# Allegro board 8880F5-0827_6.brd (continued)
## Placement (name value [footprint] x y rotation side) (continued)
NOREF#168  -  []  518.38 273.87 90 top
NOREF#169  -  []  334.29 265.56 0 top
NOREF#170  -  []  451.68 230.2 0 top
NOREF#171  -  []  328.01 286.96 0 top
NOREF#172  -  []  258.1 288.86 0 top
NOREF#173  -  []  200.98 258.7 90 top
NOREF#174  -  []  303.84 288.86 0 top
NOREF#175  -  []  239.33 236.03 0 top
NOREF#176  -  []  167.7 174.46 90 top
NOREF#177  -  []  283.21 270.2 90 top
NOREF#178  -  []  237.57 209.63 90 top
NOREF#179  -  []  192.47 209.49 90 top
NOREF#180  -  []  419.73 131.89 90 top
NOREF#181  -  []  413.71 178.82 0 top
NOREF#182  -  []  210.86 201.29 90 top
NOREF#183  -  []  528.1 273.87 90 top
NOREF#184  -  []  317.98 163.82 90 top
NOREF#185  -  []  229.51 189.2 0 top
NOREF#186  -  []  518.38 290.38 90 top
NOREF#187  -  []  331.06 223.82 90 top
NOREF#188  -  []  248.21 132.69 90 top
NOREF#189  -  []  310.43 186.34 90 top
NOREF#190  -  []  192.47 150.58 90 top
NOREF#191  -  []  266.49 143.19 0 top
NOREF#192  -  []  305.83 264.31 0 top
NOREF#193  -  []  269.69 135.19 0 top
NOREF#194  -  []  310.41 193.37 90 top
NOREF#195  -  []  344.37 128.27 0 top
NOREF#196  -  []  226.85 271.67 0 top
NOREF#197  -  []  247.25 205.56 0 top
NOREF#198  -  []  177.33 242.18 90 top
NOREF#199  -  []  396.55 289.12 0 top
NOREF#200  -  []  175.7 168.6 90 top
NOREF#201  -  []  390.69 257.11 0 top
NOREF#202  -  []  112.67 171.02 0 top
NOREF#203  -  []  175.7 236.67 90 top
NOREF#204  -  []  343.2 172.26 90 top
NOREF#205  -  []  172.08 272.6 90 top
NOREF#206  -  []  229.51 186.66 0 top
NOREF#207  -  []  290.11 280.1 0 top
NOREF#208  -  []  378.58 273.11 90 top
NOREF#209  -  []  101.82 290.38 90 top
NOREF#210  -  []  392.04 273.11 90 top
NOREF#211  -  []  391.8 217.36 0 top
NOREF#212  -  []  279.27 288.86 0 top
NOREF#213  -  []  425.2 161.74 90 top
NOREF#214  -  []  352.24 189.18 90 top
NOREF#215  -  []  418.12 241.11 0 top
NOREF#216  -  []  246.23 233.13 0 top
NOREF#217  -  []  383.09 241.11 0 top
NOREF#218  -  []  388.43 163.64 0 top
NOREF#219  -  []  400.85 233.11 0 top
NOREF#220  -  []  201.23 201.89 90 top
NOREF#221  -  []  330.18 242.88 0 top
NOREF#222  -  []  381.74 297.12 0 top
NOREF#223  -  []  230.83 164.63 0 top
NOREF#224  -  []  485.36 257.36 90 top
NOREF#225  -  []  470.71 227 90 top
NOREF#226  -  []  310.83 164.63 0 top
NOREF#227  -  []  118.33 271.33 90 top
NOREF#228  -  []  310.43 246.34 0 top
NOREF#229  -  []  209.23 216.45 90 top
NOREF#230  -  []  272.25 241.05 90 top
NOREF#231  -  []  168.13 240.88 90 top
NOREF#232  -  []  192.47 222.95 90 top
NOREF#233  -  []  230.73 243.41 0 top
NOREF#234  -  []  351.34 245.18 0 top
NOREF#235  -  []  124.35 222.33 0 top
NOREF#236  -  []  251.94 205.86 90 top
NOREF#237  -  []  252.51 204.35 90 top
NOREF#238  -  []  220.36 188.49 0 top
NOREF#239  -  []  175.7 230.17 90 top
NOREF#240  -  []  217.41 213.24 90 top
NOREF#241  -  []  228.36 262.16 45 top
NOREF#242  -  []  299.81 273.69 90 top
NOREF#243  -  []  392.24 196.98 90 top
NOREF#244  -  []  247.25 205.55 0 top
NOREF#245  -  []  250.17 163.82 90 top
NOREF#246  -  []  406.94 131.34 90 top
NOREF#247  -  []  272.55 182.64 0 top
NOREF#248  -  []  315.16 290.13 90 top
NOREF#249  -  []  184.47 178.86 90 top
NOREF#250  -  []  310.43 194.01 0 top
NOREF#251  -  []  165.8 212.85 90 top
NOREF#252  -  []  383.09 241.11 0 top
NOREF#253  -  []  378.75 240.66 90 top
NOREF#254  -  []  343.31 224.72 0 top
NOREF#255  -  []  106.11 234.24 0 top
NOREF#256  -  []  247.89 204.35 90 top
NOREF#257  -  []  245.15 288.66 90 top
NOREF#258  -  []  256.77 165.04 90 top
NOREF#259  -  []  378.75 256.66 90 top
NOREF#260  -  []  373.83 192.28 90 top
NOREF#261  -  []  177.33 146.68 90 top
NOREF#262  -  []  395.67 133.16 90 top
NOREF#263  -  []  410.52 273.37 0 top
NOREF#264  -  []  209.23 218.65 90 top
NOREF#265  -  []  201.49 147.53 90 top
NOREF#266  -  []  351.34 182.64 0 top
NOREF#267  -  []  256.77 163.82 90 top
NOREF#268  -  []  265.81 296.86 0 top
NOREF#269  -  []  184.47 260.9 90 top
NOREF#270  -  []  415.1 163.64 0 top
NOREF#271  -  []  250.73 265.55 0 top
NOREF#272  -  []  342.36 223.82 90 top
NOREF#273  -  []  262.04 224.74 0 top
NOREF#274  -  []  230.41 246.34 90 top
NOREF#275  -  []  392.47 272.66 90 top
NOREF#276  -  []  253.4 265.55 0 top
NOREF#277  -  []  352.24 183.59 90 top
NOREF#278  -  []  346.27 129.42 90 top
NOREF#279  -  []  401.87 139.89 0 top
NOREF#280  -  []  397.8 146.33 90 top
NOREF#281  -  []  346.69 128.87 90 top
NOREF#282  -  []  392.21 131.94 90 top
NOREF#283  -  []  199.08 254 0 top
NOREF#284  -  []  242.23 233.13 90 top
NOREF#285  -  []  263.95 163.52 90 top
NOREF#286  -  []  308.91 139.64 0 top
NOREF#287  -  []  396.55 241.11 0 top
NOREF#288  -  []  271.04 245.5 0 top
NOREF#289  -  []  371.48 224.6 0 top
NOREF#290  -  []  398.53 178.25 90 top
NOREF#291  -  []  328.96 164.74 0 top
NOREF#292  -  []  201.49 146.18 0 top
NOREF#293  -  []  272.25 181.05 90 top
NOREF#294  -  []  332.51 205.56 0 top
NOREF#295  -  []  116.01 222.33 0 top
NOREF#296  -  []  272.24 184.86 90 top
NOREF#297  -  []  296.96 192.14 0 top
NOREF#298  -  []  248.96 164.74 0 top
NOREF#299  -  []  318.32 131.64 0 top
NOREF#300  -  []  368.03 265.11 0 top
NOREF#301  -  []  331.86 252.43 90 top
NOREF#302  -  []  411.26 179.7 90 top
NOREF#303  -  []  375.22 163.39 0 top
NOREF#304  -  []  295.96 248.49 0 top
NOREF#305  -  []  288.74 290.13 90 top
NOREF#306  -  []  461.96 217.98 0 top
NOREF#307  -  []  107.18 246.83 90 top
NOREF#308  -  []  272.24 181.05 90 top
NOREF#309  -  []  209.49 175.56 90 top
NOREF#310  -  []  473.7 176.22 90 top
NOREF#311  -  []  404.24 146.88 0 top
NOREF#312  -  []  127.84 167.9 90 top
NOREF#313  -  []  226.83 269.63 90 top
NOREF#314  -  []  309.21 243.09 0 top
NOREF#315  -  []  406.65 271.21 90 top
NOREF#316  -  []  409.74 180.2 90 top
NOREF#317  -  []  385.19 289.12 0 top
NOREF#318  -  []  230.43 247.61 90 top
NOREF#319  -  []  465.31 230.2 0 top
NOREF#320  -  []  281.47 296.86 0 top
NOREF#321  -  []  229.21 193.37 0 top
NOREF#322  -  []  415.61 179.97 90 top
NOREF#323  -  []  392.47 272.56 90 top
NOREF#324  -  []  201.49 178.86 90 top
NOREF#325  -  []  271.04 181.69 0 top
NOREF#326  -  []  451.64 179.06 0 top
NOREF#327  -  []  419.9 154.88 0 top
NOREF#328  -  []  66.26 290.38 90 top
NOREF#329  -  []  331.62 204.35 90 top
NOREF#330  -  []  224.65 211.67 0 top
NOREF#331  -  []  208.98 259.8 90 top
NOREF#332  -  []  405.5 257.37 90 top
NOREF#333  -  []  167.7 200.54 0 top
NOREF#334  -  []  184.47 231.27 90 top
NOREF#335  -  []  309.51 253.69 0 top
NOREF#336  -  []  339.65 264.65 90 top
NOREF#337  -  []  352.25 184.86 90 top
NOREF#338  -  []  410.84 163.64 90 top
NOREF#339  -  []  75.98 290.38 90 top
NOREF#340  -  []  314.19 145.5 90 top
NOREF#341  -  []  329.28 165.04 90 top
NOREF#342  -  []  330.73 205.56 0 top
NOREF#343  -  []  175.7 250.38 90 top
NOREF#344  -  []  254.29 205.56 0 top
NOREF#345  -  []  388.43 163.64 0 top
NOREF#346  -  []  329.28 163.82 90 top
NOREF#347  -  []  175.8 147.18 90 top
NOREF#348  -  []  277.5 155.38 0 top
NOREF#349  -  []  167.7 241.43 90 top
NOREF#350  -  []  229.51 246.66 0 top
NOREF#351  -  []  175.7 148.38 90 top
NOREF#352  -  []  481.96 273.87 90 top
NOREF#353  -  []  373.68 249.11 0 top
NOREF#354  -  []  394.05 287.22 0 top
NOREF#355  -  []  270.04 280.1 0 top
NOREF#356  -  []  411.09 146.88 90 top
NOREF#357  -  []  263.63 225.04 90 top
NOREF#358  -  []  290.64 288.86 0 top
NOREF#359  -  []  230.43 243.09 0 top
NOREF#360  -  []  22.16 130.26 90 top
NOREF#361  -  []  118.45 231.77 0 top
NOREF#362  -  []  336.45 224.74 0 top
NOREF#363  -  []  308.36 262.16 45 top
NOREF#364  -  []  331.62 205.56 0 top
NOREF#365  -  []  175.7 150.58 90 top
NOREF#366  -  []  222.67 298 90 top
NOREF#367  -  []  230.43 243.09 90 top
NOREF#368  -  []  461.96 174.55 0 top
NOREF#369  -  []  409.49 163.64 0 top
NOREF#370  -  []  175.8 174.36 90 top
NOREF#371  -  []  398.53 161.74 90 top
NOREF#372  -  []  384.17 180.15 90 top
NOREF#373  -  []  177.33 214.75 90 top
NOREF#374  -  []  252.51 264.35 90 top
NOREF#375  -  []  343.95 164.74 90 top
NOREF#376  -  []  327.25 265.56 90 top
NOREF#377  -  []  415.6 146.88 0 top
NOREF#378  -  []  184.47 214 0 top
NOREF#379  -  []  425.23 180.72 90 top
NOREF#380  -  []  118.7 188.08 0 top
NOREF#381  -  []  384.59 179.6 90 top
NOREF#382  -  []  376.98 257.11 0 top
NOREF#383  -  []  192.47 195.52 90 top
NOREF#384  -  []  413.75 171.64 0 top
NOREF#385  -  []  381.2 226.12 90 top
NOREF#386  -  []  268.94 272.1 0 top
NOREF#387  -  []  230.43 186.34 90 top
NOREF#388  -  []  342.63 296.86 0 top
NOREF#389  -  []  182.82 162.12 90 top
NOREF#390  -  []  352.55 241.37 0 top
NOREF#391  -  []  319.33 176.03 0 top
NOREF#392  -  []  251.06 223.82 90 top
NOREF#393  -  []  396.03 163.64 0 top
NOREF#394  -  []  477.24 239.09 0 top
NOREF#395  -  []  229.21 188.88 0 top
NOREF#396  -  []  262.68 224.74 90 top
NOREF#397  -  []  272.24 189.18 90 top
NOREF#398  -  []  253.72 204.65 90 top
NOREF#399  -  []  167.7 186.57 0 top
NOREF#400  -  []  254.61 204.65 90 top
NOREF#401  -  []  371.48 257.11 0 top
NOREF#402  -  []  342.68 164.74 90 top
NOREF#403  -  []  122.15 195.15 0 top
NOREF#404  -  []  339.97 204.35 90 top
NOREF#405  -  []  279.7 155.38 0 top
NOREF#406  -  []  378.33 257.11 90 top
NOREF#407  -  []  338.2 186.67 0 top
NOREF#408  -  []  184.47 242.78 90 top
NOREF#409  -  []  471.59 130.36 90 top
NOREF#410  -  []  35.83 132.61 0 top
NOREF#411  -  []  401.89 163.64 0 top
NOREF#412  -  []  393.74 131.44 90 top
NOREF#413  -  []  299.59 288.86 90 top
NOREF#414  -  []  121.9 231.22 0 top
NOREF#415  -  []  332.83 205.86 90 top
NOREF#416  -  []  352.25 244.23 0 top
NOREF#417  -  []  167.7 178.86 90 top
NOREF#418  -  []  165.8 158.5 0 top
NOREF#419  -  []  286.55 288.31 90 top
NOREF#420  -  []  271.34 249.5 0 top
NOREF#421  -  []  394.66 274.38 90 top
NOREF#422  -  []  302.49 296.86 0 top
NOREF#423  -  []  119.99 214.79 0 top
NOREF#424  -  []  122.19 214.79 0 top
NOREF#425  -  []  410.52 289.12 0 top
NOREF#426  -  []  295.19 271.65 90 top
NOREF#427  -  []  251.62 204.35 90 top
NOREF#428  -  []  396.28 163.69 90 top
NOREF#429  -  []  272.25 181.69 0 top
NOREF#430  -  []  395.2 249.11 0 top
NOREF#431  -  []  369.38 224.6 0 top
NOREF#432  -  []  379 272.56 90 top
NOREF#433  -  []  450.03 225.6 0 top
NOREF#434  -  []  218.16 237.06 0 top
NOREF#435  -  []  401.89 180.15 0 top
NOREF#436  -  []  373.93 281.11 0 top
NOREF#437  -  []  331.94 204.65 90 top
NOREF#438  -  []  235.85 288.61 90 top
NOREF#439  -  []  66.26 273.87 90 top
NOREF#440  -  []  199.33 226.57 90 top
NOREF#441  -  []  342.36 225.04 90 top
NOREF#442  -  []  334.29 205.56 90 top
NOREF#443  -  []  352.25 244.86 90 top
NOREF#444  -  []  201.49 176.66 90 top
NOREF#445  -  []  465.81 222.58 0 top
NOREF#446  -  []  256.45 224.72 0 top
NOREF#447  -  []  330.73 265.56 90 top
NOREF#448  -  []  369.38 257.11 0 top
NOREF#449  -  []  394.66 242.38 90 top
NOREF#450  -  []  317.57 269.63 90 top
NOREF#451  -  []  229.21 183.09 0 top
NOREF#452  -  []  247.25 265.56 90 top
NOREF#453  -  []  398.65 297.12 0 top
NOREF#454  -  []  165.8 144.78 90 top
NOREF#455  -  []  200.98 260.9 90 top
NOREF#456  -  []  417.7 154.88 0 top
NOREF#457  -  []  246.63 130.24 90 top
NOREF#458  -  []  119.99 214.79 0 top
NOREF#459  -  []  341.63 173.83 90 top
NOREF#460  -  []  184.47 192.32 90 top
NOREF#461  -  []  404.15 257.37 0 top
NOREF#462  -  []  459.28 183.57 0 top
NOREF#463  -  []  182.57 212.85 0 top
NOREF#464  -  []  450.03 210.36 0 top
NOREF#465  -  []  215.96 237.06 0 top
NOREF#466  -  []  237.83 197.63 0 top
NOREF#467  -  []  402.14 146.88 0 top
NOREF#468  -  []  167.7 214 90 top
NOREF#469  -  []  342.68 163.52 90 top
NOREF#470  -  []  330.49 164.74 90 top
NOREF#471  -  []  199.33 212.85 0 top
NOREF#472  -  []  418.38 131.89 0 top
NOREF#473  -  []  393.74 131.34 90 top
NOREF#474  -  []  330.73 265.56 0 top
NOREF#475  -  []  414.57 265.37 0 top
NOREF#476  -  []  283.25 147.43 90 top
NOREF#477  -  []  331.94 205.86 90 top
NOREF#478  -  []  352.25 189.82 0 top
NOREF#479  -  []  257.09 224.74 90 top
NOREF#480  -  []  259.65 204.65 90 top
NOREF#481  -  []  257.9 186.99 0 top
NOREF#482  -  []  182.57 254 90 top
NOREF#483  -  []  467.51 186.77 0 top
NOREF#484  -  []  175.7 162.1 90 top
NOREF#485  -  []  115.36 235.64 90 top
NOREF#486  -  []  408.92 265.37 0 top
NOREF#487  -  []  405.93 224.66 90 top
NOREF#488  -  []  296.96 240.71 0 top
NOREF#489  -  []  101.82 287.84 90 top
NOREF#490  -  []  75.98 271.33 90 top
NOREF#491  -  []  315.7 296.86 0 top
NOREF#492  -  []  375.73 199.18 90 top
NOREF#493  -  []  384.59 179.7 90 top
NOREF#494  -  []  352.24 182.32 90 top
NOREF#495  -  []  398.65 289.12 0 top
NOREF#496  -  []  332.61 296.86 0 top
NOREF#497  -  []  415.61 185.72 90 top
NOREF#498  -  []  310.43 253.37 90 top
NOREF#499  -  []  339.97 264.35 90 top
NOREF#500  -  []  237.66 164.74 0 top
NOREF#501  -  []  230.41 187.61 90 top
NOREF#502  -  []  293.31 272.1 0 top
NOREF#503  -  []  368.28 297.12 0 top
NOREF#504  -  []  252.6 288.86 0 top
NOREF#505  -  []  209.49 162.1 90 top
NOREF#506  -  []  382.47 133.16 90 top
NOREF#507  -  []  271.34 242.64 0 top
NOREF#508  -  []  200.98 256.5 90 top
NOREF#509  -  []  105.83 190.55 90 top
NOREF#510  -  []  184.47 227.72 90 top
NOREF#511  -  []  271.34 185.18 0 top
NOREF#512  -  []  451.68 239.34 0 top
NOREF#513  -  []  352.55 249.5 0 top
NOREF#514  -  []  379.48 239.21 90 top
NOREF#515  -  []  106.76 215.26 0 top
NOREF#516  -  []  352.25 184.23 0 top
NOREF#517  -  []  167.7 138.47 90 top
NOREF#518  -  []  304.61 131.64 0 top
NOREF#519  -  []  109.96 238.84 0 top
NOREF#520  -  []  252.6 296.86 0 top
NOREF#521  -  []  328.42 129.74 90 top
NOREF#522  -  []  118.7 182.93 90 top
NOREF#523  -  []  219.81 213.69 90 top
NOREF#524  -  []  256.45 164.72 0 top
NOREF#525  -  []  229.51 247.93 0 top
NOREF#526  -  []  337.09 163.52 90 top
NOREF#527  -  []  182.57 185.42 90 top
NOREF#528  -  []  192.57 201.79 90 top
NOREF#529  -  []  223.56 185.29 90 top
NOREF#530  -  []  248.33 247.93 0 top
NOREF#531  -  []  177.33 187.32 90 top
NOREF#532  -  []  408.28 129.99 0 top
NOREF#533  -  []  192.47 257.6 90 top
NOREF#534  -  []  346.08 288.86 0 top
NOREF#535  -  []  420.37 255.47 90 top
NOREF#536  -  []  405.93 288.57 90 top
NOREF#537  -  []  405.51 217.61 0 top
NOREF#538  -  []  184.47 145.93 90 top
NOREF#539  -  []  456.08 186.77 0 top
NOREF#540  -  []  247.25 264.35 90 top
NOREF#541  -  []  192.57 147.18 90 top
NOREF#542  -  []  184.47 186.57 90 top
NOREF#543  -  []  167.7 173.11 90 top
NOREF#544  -  []  459.28 211.76 0 top
NOREF#545  -  []  331.05 265.86 90 top
NOREF#546  -  []  385.18 209.11 90 top
NOREF#547  -  []  127.55 191.95 90 top
NOREF#548  -  []  384.36 131.89 0 top
NOREF#549  -  []  339.89 288.41 90 top
NOREF#550  -  []  247.34 133.41 90 top
NOREF#551  -  []  393.31 131.89 90 top
NOREF#552  -  []  309.21 248.88 0 top
NOREF#553  -  []  262.36 163.82 90 top
NOREF#554  -  []  418.12 257.42 90 top
NOREF#555  -  []  309.12 154.05 0 top
NOREF#556  -  []  412.36 209.61 90 top
NOREF#557  -  []  284.77 146.93 90 top
NOREF#558  -  []  262.68 164.74 90 top
NOREF#559  -  []  244.8 288.61 0 top
NOREF#560  -  []  343.98 288.86 0 top
NOREF#561  -  []  271.04 185.5 0 top
NOREF#562  -  []  415.08 139.89 0 top
NOREF#563  -  []  459.28 227 0 top
NOREF#564  -  []  175.7 209.49 90 top
NOREF#565  -  []  448.94 290.38 90 top
NOREF#566  -  []  209.33 201.79 90 top
NOREF#567  -  []  313.22 288.31 90 top
NOREF#568  -  []  209.59 160.9 90 top
NOREF#569  -  []  271.04 241.69 0 top
NOREF#570  -  []  209.33 215.25 90 top
NOREF#571  -  []  453.88 195.91 0 top
NOREF#572  -  []  284.36 272.1 90 top
NOREF#573  -  []  201.23 190.12 90 top
NOREF#574  -  []  339.65 204.65 90 top
NOREF#575  -  []  272.55 185.18 0 top
NOREF#576  -  []  332.51 265.56 0 top
NOREF#577  -  []  418.63 131.94 90 top
NOREF#578  -  []  310.43 243.09 90 top
NOREF#579  -  []  201.66 213.45 90 top
NOREF#580  -  []  318.3 223.52 90 top
NOREF#581  -  []  208.98 257.6 90 top
NOREF#582  -  []  247.57 204.65 90 top
NOREF#583  -  []  390.59 195.9 90 top
NOREF#584  -  []  273.24 272.1 0 top
NOREF#585  -  []  271.34 182.64 0 top
NOREF#586  -  []  256.73 132.14 0 top
NOREF#587  -  []  461.86 182.17 90 top
NOREF#588  -  []  374.88 217.11 0 top
NOREF#589  -  []  310.43 193.37 0 top
NOREF#590  -  []  327.25 204.35 90 top
NOREF#591  -  []  232.25 211.67 90 top
NOREF#592  -  []  286.81 272.1 0 top
NOREF#593  -  []  250.5 288.86 0 top
NOREF#594  -  []  254.8 296.86 0 top
NOREF#595  -  []  384.59 162.84 90 top
NOREF#596  -  []  165.8 171.96 0 top
NOREF#597  -  []  385.19 249.11 0 top
NOREF#598  -  []  327.57 265.86 90 top
NOREF#599  -  []  271.34 181.37 0 top
NOREF#600  -  []  192.47 164.3 90 top
NOREF#601  -  []  240.5 288.61 0 top
NOREF#602  -  []  450.03 191.31 0 top
NOREF#603  -  []  241.82 227.13 90 top
NOREF#604  -  []  397.8 163.09 90 top
NOREF#605  -  []  93.76 290.38 90 top
NOREF#606  -  []  108.27 171.02 0 top
NOREF#607  -  []  329.85 164.72 0 top
NOREF#608  -  []  343.31 224.74 0 top
NOREF#609  -  []  413.71 178.82 90 top
NOREF#610  -  []  375.22 180.15 0 top
NOREF#611  -  []  230.43 248.88 0 top
NOREF#612  -  []  272.55 249.5 0 top
NOREF#613  -  []  166.06 203.01 90 top
NOREF#614  -  []  467.51 230.2 0 top
NOREF#615  -  []  271.34 249.5 0 top
NOREF#616  -  []  229.21 186.34 0 top
NOREF#617  -  []  105.58 234.24 90 top
NOREF#618  -  []  272.24 182.32 90 top
NOREF#619  -  []  106.76 210.11 90 top
NOREF#620  -  []  329.6 224.74 90 top
NOREF#621  -  []  419.65 256.92 90 top
NOREF#622  -  []  404.24 154.88 0 top
NOREF#623  -  []  413.71 148.15 90 top
NOREF#624  -  []  327.25 205.56 0 top
NOREF#625  -  []  250.17 225.04 90 top
NOREF#626  -  []  167.7 233.47 90 top
NOREF#627  -  []  373.83 192.28 0 top
NOREF#628  -  []  300.01 288.41 90 top
NOREF#629  -  []  218.13 214.06 0 top
NOREF#630  -  []  271.56 288.91 90 top
NOREF#631  -  []  377.23 289.12 0 top
NOREF#632  -  []  411.99 178.25 90 top
NOREF#633  -  []  272.24 242.32 90 top
NOREF#634  -  []  392.24 194.78 90 top
NOREF#635  -  []  471.21 175.95 0 top
NOREF#636  -  []  165.8 144.78 0 top
NOREF#637  -  []  218.13 274.06 0 top
NOREF#638  -  []  319.15 288.86 0 top
NOREF#639  -  []  333.72 205.86 90 top
NOREF#640  -  []  272.25 182.96 0 top
NOREF#641  -  []  351.34 189.5 0 top
NOREF#642  -  []  259.65 264.65 90 top
NOREF#643  -  []  182.57 171.96 90 top
NOREF#644  -  []  451.68 195.91 0 top
NOREF#645  -  []  397.8 146.43 90 top
NOREF#646  -  []  402.14 146.88 0 top
NOREF#647  -  []  167.7 227.72 90 top
NOREF#648  -  []  405.5 273.11 90 top
NOREF#649  -  []  355.89 130.17 90 top
NOREF#650  -  []  485.36 259.9 90 top
NOREF#651  -  []  250.49 223.52 90 top
NOREF#652  -  []  182.57 171.96 0 top
NOREF#653  -  []  230.73 187.93 0 top
NOREF#654  -  []  254.29 265.56 0 top
NOREF#655  -  []  175.7 191.22 90 top
NOREF#656  -  []  217.83 234.63 90 top
NOREF#657  -  []  310.73 183.41 0 top
NOREF#658  -  []  118.45 239.39 0 top
NOREF#659  -  []  251.62 205.55 0 top
NOREF#660  -  []  230.43 193.37 90 top
NOREF#661  -  []  322.23 233.13 90 top
NOREF#662  -  []  194.09 201.29 90 top
NOREF#663  -  []  221.56 239.06 0 top
NOREF#664  -  []  351.04 242.96 0 top
NOREF#665  -  []  424.05 163.64 90 top
NOREF#666  -  []  274.67 286.96 0 top
NOREF#667  -  []  367.13 287.22 0 top
NOREF#668  -  []  451.68 230.2 0 top
NOREF#669  -  []  292.74 296.86 0 top
NOREF#670  -  []  259.88 288.31 90 top
NOREF#671  -  []  118.7 190.55 90 top
NOREF#672  -  []  199.84 148.65 90 top
NOREF#673  -  []  310.83 224.63 0 top
NOREF#674  -  []  351.34 241.37 0 top
NOREF#675  -  []  327.7 131.19 90 top
NOREF#676  -  []  411.26 163.19 90 top
NOREF#677  -  []  201.49 159.65 0 top
NOREF#678  -  []  398.65 209.36 90 top
NOREF#679  -  []  66.26 271.33 90 top
NOREF#680  -  []  388.43 180.15 0 top
NOREF#681  -  []  272.25 185.5 0 top
NOREF#682  -  []  107.02 179.19 0 top
NOREF#683  -  []  221.56 182.89 0 top
NOREF#684  -  []  310.41 183.09 90 top
NOREF#685  -  []  343.2 232.26 90 top
NOREF#686  -  []  177.33 228.47 90 top
NOREF#687  -  []  215.96 188.49 0 top
NOREF#688  -  []  401.89 180.15 0 top
NOREF#689  -  []  546.67 300.44 90 top
NOREF#690  -  []  298.16 188.49 0 top
NOREF#691  -  []  108.01 195.15 0 top
NOREF#692  -  []  386.53 181.42 90 top
NOREF#693  -  []  376.23 209.11 0 top
NOREF#694  -  []  210.86 242.18 90 top
NOREF#695  -  []  167.7 151.68 90 top
NOREF#696  -  []  229.21 248.88 0 top
NOREF#697  -  []  201.49 174.46 90 top
NOREF#698  -  []  289.29 296.86 0 top
NOREF#699  -  []  288.14 286.96 0 top
NOREF#700  -  []  289.01 272.1 0 top
NOREF#701  -  []  236.27 289.16 90 top
NOREF#702  -  []  184.89 159.1 90 top
NOREF#703  -  []  201.23 206.29 90 top
NOREF#704  -  []  392.04 224.85 90 top
NOREF#705  -  []  354.37 130.67 90 top
NOREF#706  -  []  460.93 166.93 90 top
NOREF#707  -  []  239.33 176.03 90 top
NOREF#708  -  []  339.33 265.55 0 top
NOREF#709  -  []  332.61 288.86 0 top
NOREF#710  -  []  318.45 197.01 0 top
NOREF#711  -  []  317.98 225.04 90 top
NOREF#712  -  []  272.25 244.23 0 top
NOREF#713  -  []  218.16 177.06 0 top
NOREF#714  -  []  220.36 248.49 0 top
NOREF#715  -  []  118.99 166.5 90 top
NOREF#716  -  []  390.53 180.15 0 top
NOREF#717  -  []  309.21 193.37 0 top
NOREF#718  -  []  229.21 253.37 0 top
NOREF#719  -  []  124.39 214.79 0 top
NOREF#720  -  []  192.47 154.88 90 top
NOREF#721  -  []  260.83 234.63 90 top
NOREF#722  -  []  386.46 131.89 0 top
NOREF#723  -  []  201.49 161 90 top
NOREF#724  -  []  528.1 259.9 90 top
NOREF#725  -  []  333.72 264.65 90 top
NOREF#726  -  []  389.7 209.36 0 top
NOREF#727  -  []  367.48 225.87 90 top
NOREF#728  -  []  411.99 161.74 90 top
NOREF#729  -  []  272.8 145.48 90 top
NOREF#730  -  []  263.85 273.37 90 top
NOREF#731  -  []  397.8 179.7 90 top
NOREF#732  -  []  304.82 146.05 0 top
NOREF#733  -  []  247.57 205.86 90 top
NOREF#734  -  []  271.34 241.37 0 top
NOREF#735  -  []  107.02 171.57 0 top
NOREF#736  -  []  247.78 140.14 0 top
NOREF#737  -  []  342.04 224.72 0 top
NOREF#738  -  []  475.04 195.66 0 top
NOREF#739  -  []  165.8 199.39 0 top
NOREF#740  -  []  209.49 148.63 90 top
NOREF#741  -  []  404.4 273.16 90 top
NOREF#742  -  []  310.41 186.34 90 top
NOREF#743  -  []  124.61 178.64 0 top
NOREF#744  -  []  177.33 201.29 90 top
NOREF#745  -  []  96.33 238.84 0 top
NOREF#746  -  []  401.52 210.88 90 top
NOREF#747  -  []  168.13 186.02 90 top
NOREF#748  -  []  485.36 289.48 90 top
NOREF#749  -  []  399.8 207.46 90 top
NOREF#750  -  []  352.25 243.59 90 top
NOREF#751  -  []  318.3 164.74 90 top
NOREF#752  -  []  229.51 243.41 0 top
NOREF#753  -  []  192.47 168.6 90 top
NOREF#754  -  []  279.7 155.38 0 top
NOREF#755  -  []  319.33 176.03 90 top
NOREF#756  -  []  155.57 275.14 90 top
NOREF#757  -  []  378.33 217.11 0 top
NOREF#758  -  []  301.56 190.49 0 top
NOREF#759  -  []  167.7 227.72 0 top
NOREF#760  -  []  184.47 256.5 90 top
NOREF#761  -  []  465.81 179.15 0 top
NOREF#762  -  []  371.73 289.12 0 top
NOREF#763  -  []  400.24 198.08 90 top
NOREF#764  -  []  310.73 253.69 0 top
NOREF#765  -  []  392.24 193.43 90 top
NOREF#766  -  []  271.04 249.18 0 top
NOREF#767  -  []  405.93 224.56 90 top
NOREF#768  -  []  472.86 174.55 90 top
NOREF#769  -  []  456.08 230.2 0 top
NOREF#770  -  []  385.32 161.49 90 top
NOREF#771  -  []  216.96 192.14 0 top
NOREF#772  -  []  309.21 247.61 0 top
NOREF#773  -  []  210.86 187.32 90 top
NOREF#774  -  []  182.57 185.42 0 top
NOREF#775  -  []  106.36 190.55 0 top
NOREF#776  -  []  343.95 224.74 90 top
NOREF#777  -  []  298.13 214.06 0 top
NOREF#778  -  []  167.7 206.29 90 top
NOREF#779  -  []  309.21 187.61 0 top
NOREF#780  -  []  413.2 164.91 90 top
NOREF#781  -  []  175.7 164.3 90 top
NOREF#782  -  []  184.47 255.15 0 top
NOREF#783  -  []  341.63 255.43 90 top
NOREF#784  -  []  327.15 286.96 90 top
NOREF#785  -  []  381.74 265.11 0 top
NOREF#786  -  []  192.47 246.08 90 top
NOREF#787  -  []  263.31 164.72 0 top
NOREF#788  -  []  11.6 261.68 90 top
NOREF#789  -  []  254.29 264.35 90 top
NOREF#790  -  []  387.39 232.85 0 top
NOREF#791  -  []  334.61 204.65 90 top
NOREF#792  -  []  127.81 175.44 90 top
NOREF#793  -  []  256.77 223.82 90 top
NOREF#794  -  []  404.15 225.11 0 top
NOREF#795  -  []  108.01 214.71 0 top
NOREF#796  -  []  387.39 249.11 0 top
NOREF#797  -  []  192.57 187.82 90 top
NOREF#798  -  []  468.68 129.54 0 top
NOREF#799  -  []  528.1 276.41 90 top
NOREF#800  -  []  304.65 211.67 0 top
NOREF#801  -  []  331.38 164.74 90 top
NOREF#802  -  []  312.79 288.86 90 top
NOREF#803  -  []  331.62 265.56 0 top
NOREF#804  -  []  337.09 223.52 90 top
NOREF#805  -  []  461.86 187.32 0 top
NOREF#806  -  []  330.17 223.82 90 top
NOREF#807  -  []  264.29 272.1 90 top
NOREF#808  -  []  398.65 249.11 0 top
NOREF#809  -  []  230.43 189.52 0 top
NOREF#810  -  []  337.09 164.74 90 top
NOREF#811  -  []  184.47 186.57 0 top
NOREF#812  -  []  336.77 165.04 90 top
NOREF#813  -  []  405.93 272.66 90 top
NOREF#814  -  []  272.25 184.86 90 top
NOREF#815  -  []  371.73 297.12 0 top
NOREF#816  -  []  279.27 296.86 0 top
NOREF#817  -  []  237.66 224.74 0 top
NOREF#818  -  []  128.05 273.87 90 top
NOREF#819  -  []  230.43 247.61 0 top
NOREF#820  -  []  310.43 193.37 90 top
